# KiCad board imx8x_carrier_v1.kicad_pcb (continued)
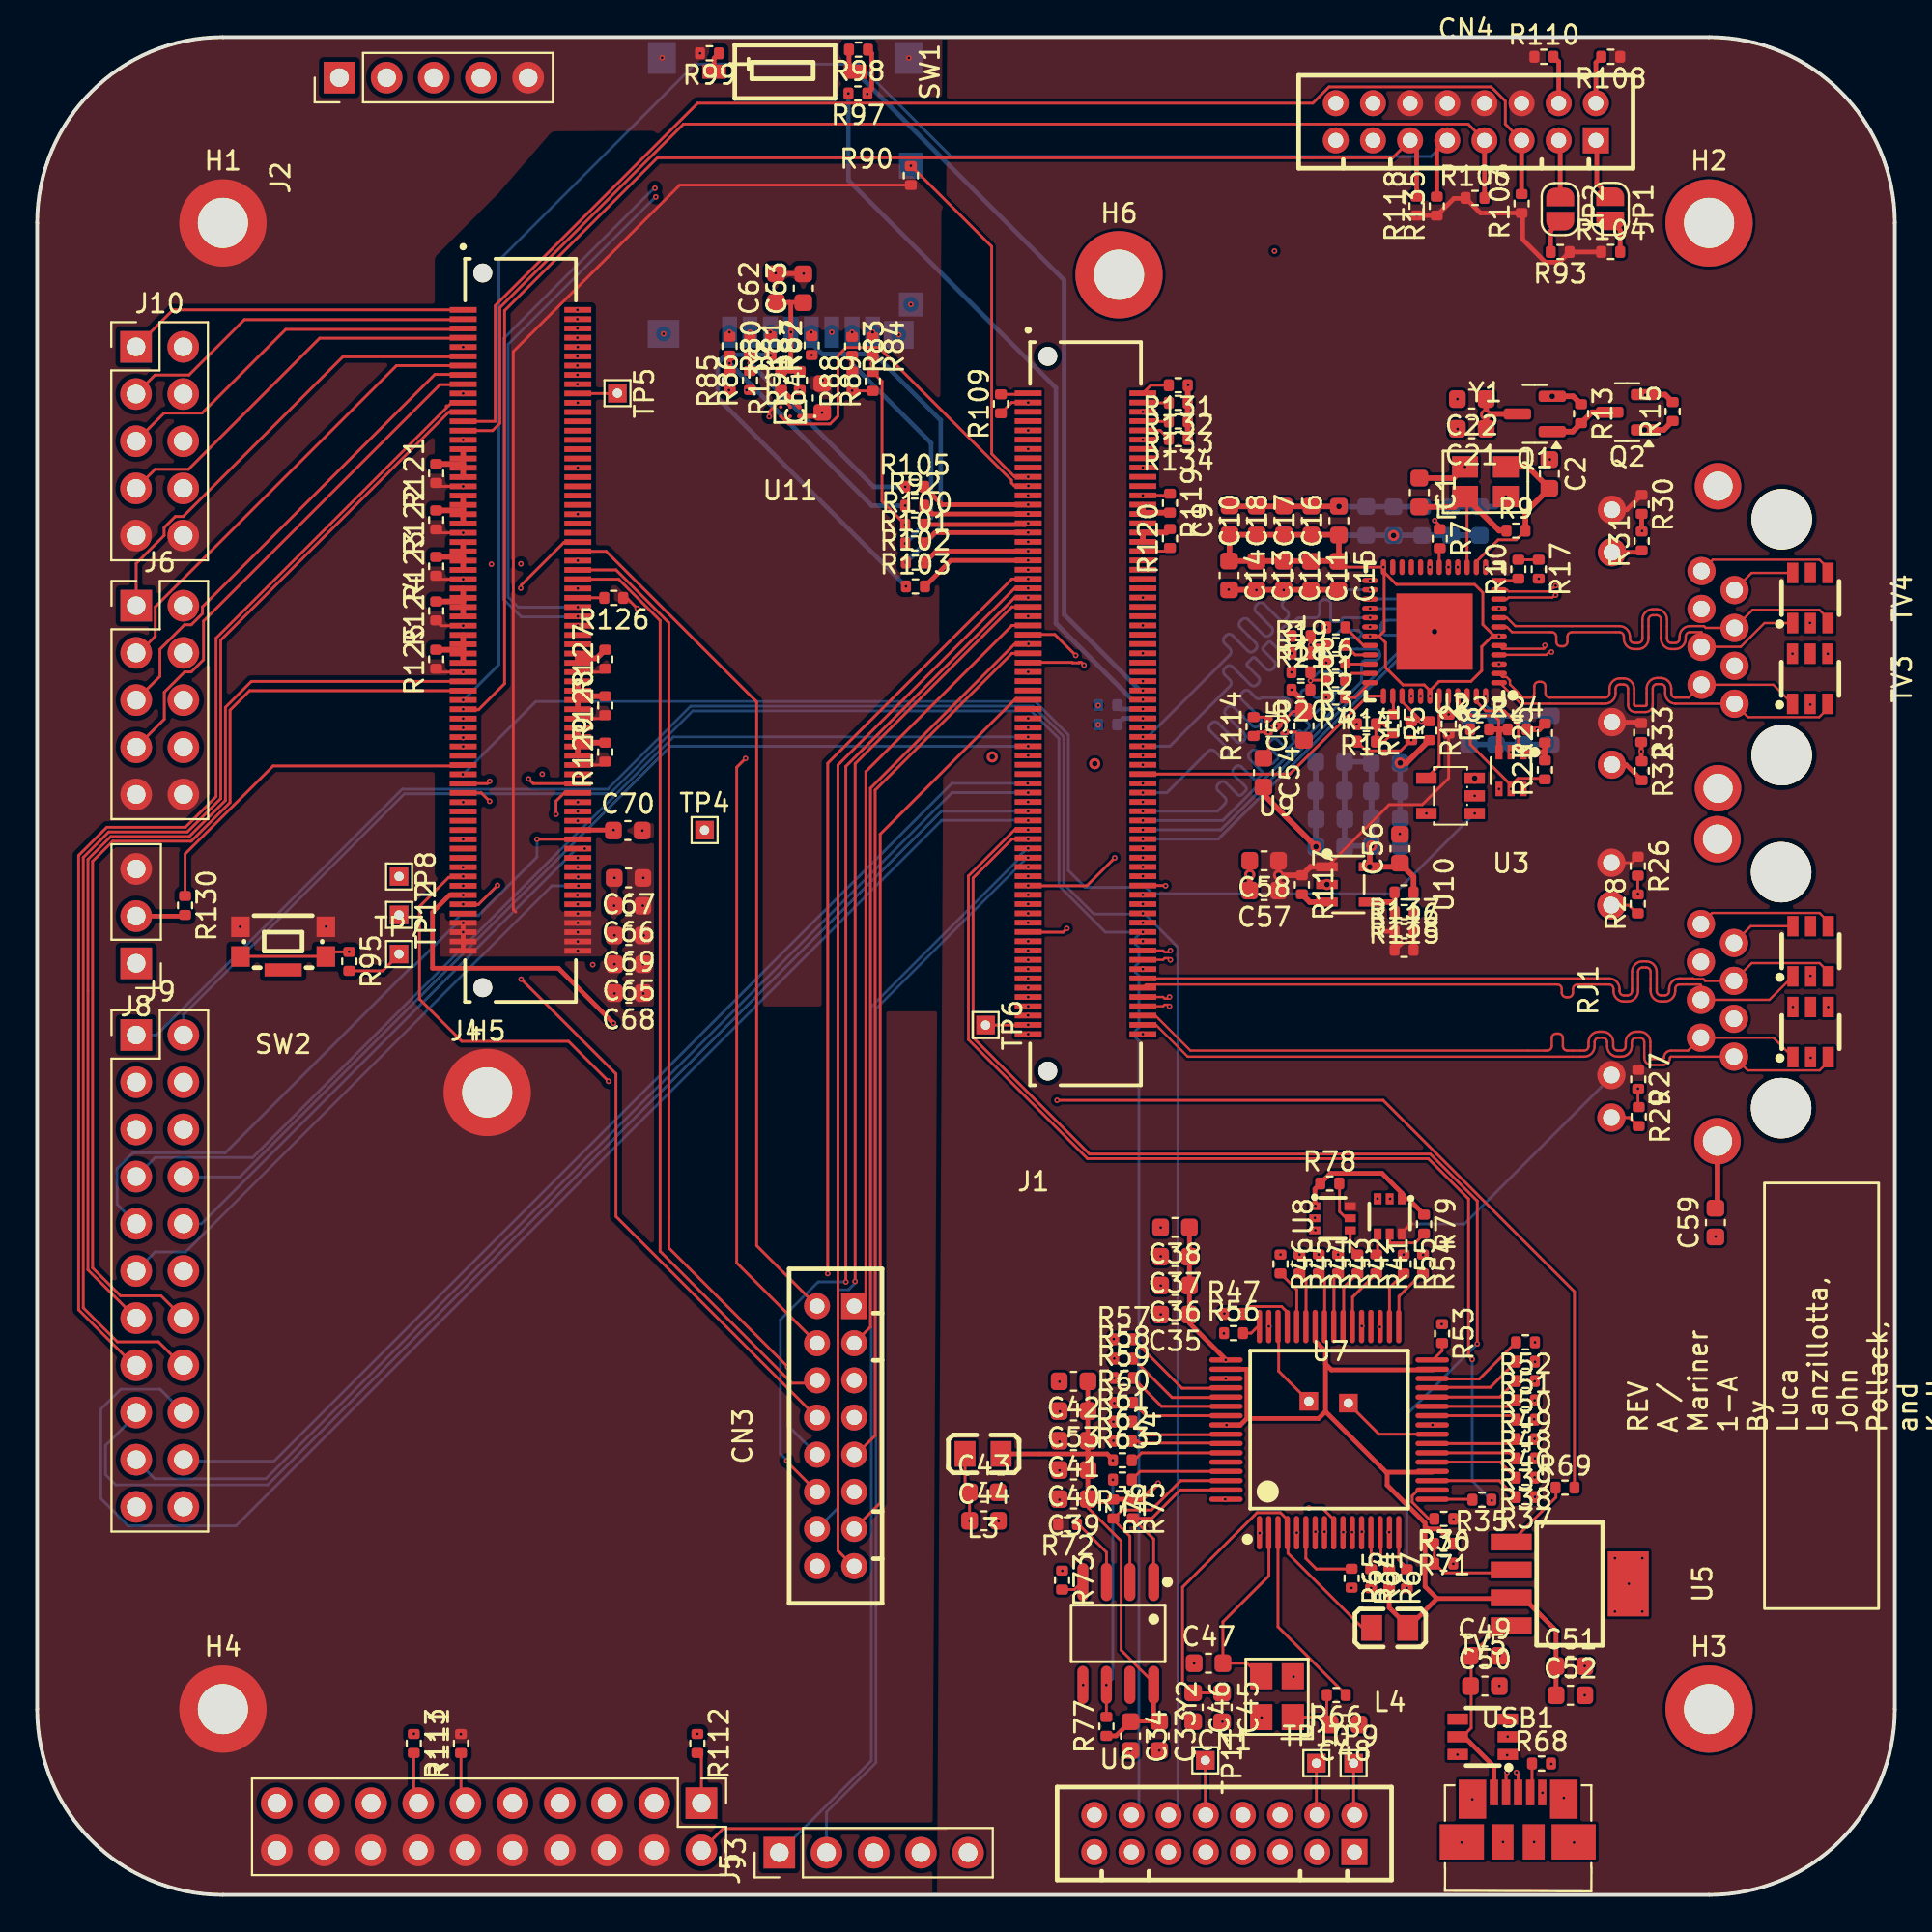
[diagram p0: board, top side]
## Library data of the parts
C1 C2 = -: Description: Unpolarized capacitor, small symbol; LCSC: C1647; Voltage: 50V; ki_fp_filters: C_*
C3 C5 C12 C14 C15 C17 C19 C24 C25 C27 C32 = -: Description: Unpolarized capacitor, small symbol; LCSC: C15849; Voltage: 10V; ki_fp_filters: C_*
C4 C6 C11 C13 C16 C18 C20 C23 C26 C28 C31 C43 C54 C55 C57 = -: Description: Unpolarized capacitor, small symbol; LCSC: C14663; Voltage: 16V; ki_fp_filters: C_*
C7 C10 C21 C29 = -: Description: Unpolarized capacitor, small symbol; LCSC: C57112; Voltage: 50V; ki_fp_filters: C_*
C8 C9 C22 C30 = -: Description: Unpolarized capacitor, small symbol; LCSC: C96446; Voltage: 16V; ki_fp_filters: C_*
C33 C38 C45 C67 C68 = -: Description: Unpolarized capacitor, small symbol; Voltage: 10V; LCSC: C19666; ki_fp_filters: C_*
C34-C37 C39-C42 C46 C49 C52 C53 C63 C64 C69 = -: Description: Unpolarized capacitor, small symbol; Voltage: 16V; LCSC: C14663; ki_fp_filters: C_*
C44 C56 C58 = -: Description: Unpolarized capacitor, small symbol; LCSC: C19666; Voltage: 10V; ki_fp_filters: C_*
C47 C48 = -: Description: Unpolarized capacitor, small symbol; Voltage: 50V; LCSC: C38523; ki_fp_filters: C_*
C50 = -: Description: Unpolarized capacitor, small symbol; Voltage: 25V; LCSC: C77047; ki_fp_filters: C_*
C51 = -: Description: Unpolarized capacitor, small symbol; Voltage: 10V; LCSC: C15849; ki_fp_filters: C_*
C59 = -: Description: Unpolarized capacitor, small symbol; LCSC: C57112; Voltage: 2kV; ki_fp_filters: C_*
C62 = -: Description: Unpolarized capacitor, small symbol; Voltage: 16V; LCSC: C96446; ki_fp_filters: C_*
C65 C66 = -: Description: Unpolarized capacitor, small symbol; Voltage: 25V; LCSC: C2762594; ki_fp_filters: C_*
C70 = -: Description: Unpolarized capacitor, small symbol; LCSC: C21120; ki_fp_filters: C_*
Card1 = -: Datasheet: https://lcsc.com/product-detail/SD-Card-Memory-Card-Connector_MOLEX-5027740891_C330255.html?s_z=n_TF-SMD_5027740891; LCSC Part: C330255
CN1 CN3 CN4 = -: Datasheet: https://lcsc.com/product-detail/Wire-To-Board-Wire-To-Wire-Connector_HRS-Hirose-HRS-DF11-16DP-2DSA-08_C530981.html; Description: DF11 Connector; LCSC Part: C530981
H1-H6 = -: Description: Mounting Hole with connection as pad named MP; ki_fp_filters: MountingHole*Pad*
J1 J4 = -: Datasheet: https://www.samtec.com/products/bth-070-02-l-d-a-k-tr#cadmodels; Description: IMX8 SOM Connector; PARTREV: R; STANDARD: Manufacturer Recommendations; MANUFACTURER: Samtec
J2 J3 = -: Description: Generic connector, single row, 01x05, script generated; ki_fp_filters: Connector*:*_1x??_*
J5 = -: Description: Generic connector, single row, 01x20, script generated; ki_fp_filters: Connector*:*_1x??_*
J6 J10 = -: Description: Generic connector, double row, 02x05, odd/even pin numbering scheme (row 1 odd numbers, row 2 even numbers), script generated (kicad-library-utils/schlib/autogen/connector/); ki_fp_filters: Connector*:*_2x??_*
J8 = -: Description: Generic connector, single row, 01x03, script generated; ki_fp_filters: Connector*:*_1x??_*
J9 = -: Description: Generic connector, double row, 02x11, counter clockwise pin numbering scheme (similar to DIP package numbering), script generated (kicad-library-utils/schlib/autogen/connector/); ki_fp_filters: Connector*:*_2x??_*
JP1 JP2 = -: Description: Solder Jumper, 2-pole, open; ki_fp_filters: SolderJumper*Open*
L3 L4 = -: Description: Inductor; LCSC: C1017; ki_fp_filters: Choke_* *Coil* Inductor_* L_*
Q1 = -: Datasheet: https://www.infineon.com/dgdl/irlml6401pbf.pdf?fileId=5546d462533600a401535668b96d2634; Description: -4.3A Id, -12V Vds, 50mOhm Rds, P-Channel HEXFET Power MOSFET, SOT-23; LCSC: C3034; ki_fp_filters: SOT?23*
Q2 = -: Datasheet: https://www.onsemi.com/pub/Collateral/BSS138-D.PDF; Description: 50V Vds, 0.22A Id, N-Channel MOSFET, SOT-23; LCSC: C52895; ki_fp_filters: SOT?23*
R1-R6 R8 R10-R93 R95 R100-R114 R117-R136 = -: Description: Resistor, US symbol; ki_fp_filters: R_*
R7 = -: Description: Resistor, US symbol; LCSC: C25120; ki_fp_filters: R_*
R9 = -: Description: Resistor, US symbol; LCSC: C26083; ki_fp_filters: R_*
R94 R96-R99 R137 R138 = -: Description: Resistor, US symbol; LCSC: C11702; ki_fp_filters: R_*
R115 = -: Description: Resistor, US symbol; LCSC: C4109; ki_fp_filters: R_*
R116 = -: Description: Resistor, US symbol; LCSC: C25537; ki_fp_filters: R_*
RJ1 RJ2 = -: Datasheet: https://jlcpcb.com/partdetail/AmphenolIcc-RJHSE5384/C464587; LCSC Part: C464587
SW1 = -: Description: 1x DIP Switch, Single Pole Single Throw (SPST) switch, small symbol; LCSC Part: C7471372; ki_fp_filters: SW?DIP?x1*
SW2 = -: Datasheet: https://lcsc.com/product-detail/Others_C-K-KMR221GLFS_C72443.html; LCSC Part: C72443
TP1 TP2 TP4-TP12 = -: Description: test point; ki_fp_filters: Pin* Test*
TV1-TV4 = -: Datasheet: https://lcsc.com/product-detail/TVS_SEMTECH_SRV05-4-TCT_SRV05-4-TCT_C13612.html; Description: Surge Protecton Diode Network; LCSC Part: C13612
TV5 = -: Datasheet: https://lcsc.com/product-detail/TVS_SEMTECH_SRV05-4-TCT_SRV05-4-TCT_C13612.html; LCSC Part: C13612
U1 = -: Datasheet: https://www.ti.com/cn/lit/ds/symlink/dp83867ir.pdf?ts=1748027510532&ref_url=https%253A%252F%252Fjlcpcb.com%252F; LCSC Part: C544766
U2 = -: Datasheet: https://lcsc.com/product-detail/74-Series_TI_SN74AUP1G08DBVR_SN74AUP1G08DBVR_C139409.html; Description: Low Power 2 Input AND gate; LCSC Part: C139409
U3 = -: Datasheet: https://jlcpcb.com/api/file/downloadByFileSystemAccessId/8603378044489261056; LCSC Part: C19829574
U4 = -: Datasheet: https://lcsc.com/product-detail/USB_FTDI_FT2232HL_FT2232HL_C27882.html; LCSC Part: C27882
U5 = -: Datasheet: https://lcsc.com/product-detail/Linear-Voltage-Regulators_TI_LP38693MP-ADJ-NOPB_LP38693MP-ADJ-NOPB_C181420.html; LCSC Part: C181420
U6 = -: Datasheet: https://jlcpcb.com/parts/componentSearch?searchTxt=C890471; LCSC Part: C890471
U7 U8 = -: Datasheet: https://lcsc.com/product-detail/Logic-ICs_TI_TXS0101DCKR_TXS0101DCKR_C132031.html; Description: 1-Bit Bidirectional Level-Shifting, Voltage-Level Translator With Auto-Direction-Sensing for Open-Drain and Push-Pull Applications; LCSC Part: C132031
U9 = -: LCSC Part: C2872754
U10 = -: Datasheet: https://lcsc.com/product-detail/Low-Dropout-Regulators-LDO_MICROCHIP_MCP1824T-ADJE-OT_MCP1824T-ADJE-OT_C145717.html; LCSC Part: C145717
U11 = -: Datasheet: https://lcsc.com/product-detail/Power-Distribution-Switches_ROHM-Semicon-BD2204GUL-E2_C314699.html?s_z=n_BD2204GUL-E2; LCSC Part: C314699
USB1 = -: Datasheet: https://lcsc.com/product-detail/USB-Connectors_MOLEX_47346-0001_47346-0001_C132560.html; LCSC Part: C132560
Y1 = -: Description: Four pin crystal, GND on pins 2 and 4; LCSC: C13740; ki_fp_filters: Crystal*
Y2 = -: Description: Four pin crystal, GND on pins 2 and 4; LCSC Part: C9002; ki_fp_filters: Crystal*

## Footprints (pads in the part's own frame, mm; a bottom-side part is the same pattern mirrored in y, then rotated)
BGA-6_L1.5-W1.0-P0.50_BD2204GUL-E2
  round 0.2 smd: A1(-0.5,0.25) A2(0,0.25) A3(0.5,0.25) B1(-0.5,-0.25) B2(0,-0.25) B3(0.5,-0.25)
C_0603_1608Metric
  rrect 0.9x0.95 smd: 1(-0.775,0) 2(0.775,0)
CONN-TH_DF11-16DP-2DSA-08
  rect 1.4x1.4 hole 0.8: 1(7,-1)
  round 1.4 hole 0.8: 2(7,1) 3(5,-1) 4(5,1) 5(3,-1) 6(3,1) 7(1,-1) 8(1,1) 9(-1,-1) 10(-1,1) 11(-3,-1) 12(-3,1) 13(-5,-1) 14(-5,1) 15(-7,-1) 16(-7,1)
CRYSTAL-SMD_4P-L3.2-W2.5-BL
  rect 1.4x1.2 smd: 1(-1.1,-0.85) 2(1.1,-0.85) 3(1.1,0.85) 4(-1.1,0.85)
CRYSTAL-SMD_4P-L3.2-W2.5-BL-2
  rect 1.4x1.15 smd: 1(-1.1,-0.8) 2(1.1,-0.8) 3(1.1,0.8) 4(-1.1,0.8)
KEY-SMD_KMR2XXGXXX
  rect 1x1.1 smd: 1(-2.3,0.44) 2(2.3,0.44) 3(-2.3,-1.16) 4(2.3,-1.16)
  rect 2x0.7 smd: 5(0,1.16)
L0805
  rect 1.13x1.38 smd: 1(-0.97,0) 2(0.97,0)
LQFP-64_L10.0-W10.0-P0.50-LS12.0-TL
  oval 1.8x0.28 smd: 1(-5.55,3.75) 2(-5.55,3.25) 3(-5.55,2.75) 4(-5.55,2.25) 5(-5.55,1.75) 6(-5.55,1.25) 7(-5.55,0.75) 8(-5.55,0.25) 9(-5.55,-0.25) 10(-5.55,-0.75) 11(-5.55,-1.25) 12(-5.55,-1.75) 13(-5.55,-2.25) 14(-5.55,-2.75) 15(-5.55,-3.25) 16(-5.55,-3.75) 33(5.55,-3.75) 34(5.55,-3.25) 35(5.55,-2.75) 36(5.55,-2.25) 37(5.55,-1.75) 38(5.55,-1.25) 39(5.55,-0.75) 40(5.55,-0.25) 41(5.55,0.25) 42(5.55,0.75) 43(5.55,1.25) 44(5.55,1.75) 45(5.55,2.25) 46(5.55,2.75) 47(5.55,3.25) 48(5.55,3.75)
  oval 0.28x1.8 smd: 17(-3.75,-5.55) 18(-3.25,-5.55) 19(-2.75,-5.55) 20(-2.25,-5.55) 21(-1.75,-5.55) 22(-1.25,-5.55) 23(-0.75,-5.55) 24(-0.25,-5.55) 25(0.25,-5.55) 26(0.75,-5.55) 27(1.25,-5.55) 28(1.75,-5.55) 29(2.25,-5.55) 30(2.75,-5.55) 31(3.25,-5.55) 32(3.75,-5.55) 49(3.75,5.55) 50(3.25,5.55) 51(2.75,5.55) 52(2.25,5.55) 53(1.75,5.55) 54(1.25,5.55) 55(0.75,5.55) 56(0.25,5.55) 57(-0.25,5.55) 58(-0.75,5.55) 59(-1.25,5.55) 60(-1.75,5.55) 61(-2.25,5.55) 62(-2.75,5.55) 63(-3.25,5.55) 64(-3.75,5.55)
MICRO-USB-SMD_47346-0001
  rect 0.45x1.38 smd: 1(-1.28,1.33) 2(-0.63,1.33) 3(0.02,1.33) 4(0.67,1.33) 5(1.32,1.33)
  rect 2.38x1.9 smd: 6(-3.01,-1.33) 6(3.01,-1.33)
  rect 1.48x2.1 smd: 6(-2.44,0.97) 6(2.48,0.97)
  rect 1.18x1.9 smd: 6(-0.82,-1.33) 6(0.86,-1.33)
MountingHole_2.7mm_M2.5_DIN965_Pad
  round 4.7 hole 2.7: 1(0,0)
PinHeader_1x03_P2.54mm_Vertical
  rect 1.7x1.7 hole 1: 1(0,0)
  oval 1.7x1.7 hole 1: 2(0,-2.54) 3(0,-5.08)
PinHeader_1x05_P2.54mm_Vertical
  rect 1.7x1.7 hole 1: 1(0,0)
  oval 1.7x1.7 hole 1: 2(0,-2.54) 3(0,-5.08) 4(0,-7.62) 5(0,-10.16)
PinHeader_2x05_P2.54mm_Vertical
  rect 1.7x1.7 hole 1: 1(0,0)
  oval 1.7x1.7 hole 1: 2(2.54,0) 3(0,-2.54) 4(2.54,-2.54) 5(0,-5.08) 6(2.54,-5.08) 7(0,-7.62) 8(2.54,-7.62) 9(0,-10.16) 10(2.54,-10.16)
PinHeader_2x10_P2.54mm_Vertical
  rect 1.7x1.7 hole 1: 1(0,0)
  oval 1.7x1.7 hole 1: 2(2.54,0) 3(0,-2.54) 4(2.54,-2.54) 5(0,-5.08) 6(2.54,-5.08) 7(0,-7.62) 8(2.54,-7.62) 9(0,-10.16) 10(2.54,-10.16) 11(0,-12.7) 12(2.54,-12.7) 13(0,-15.24) 14(2.54,-15.24) 15(0,-17.78) 16(2.54,-17.78) 17(0,-20.32) 18(2.54,-20.32) 19(0,-22.86) 20(2.54,-22.86)
PinHeader_2x11_P2.54mm_Vertical
  rect 1.7x1.7 hole 1: 1(0,0)
  oval 1.7x1.7 hole 1: 2(2.54,0) 3(0,-2.54) 4(2.54,-2.54) 5(0,-5.08) 6(2.54,-5.08) 7(0,-7.62) 8(2.54,-7.62) 9(0,-10.16) 10(2.54,-10.16) 11(0,-12.7) 12(2.54,-12.7) 13(0,-15.24) 14(2.54,-15.24) 15(0,-17.78) 16(2.54,-17.78) 17(0,-20.32) 18(2.54,-20.32) 19(0,-22.86) 20(2.54,-22.86) 21(0,-25.4) 22(2.54,-25.4)
R_0402_1005Metric
  rrect 0.54x0.64 smd: 1(-0.51,0) 2(0.51,0)
RJ45-TH_RJHSE5384
  round 3.25 hole 3.25: (-6.35,-5.84) (6.35,-5.84)
  round 1.52 hole 0.89: 1(3.58,-3.3) 2(2.56,-1.52) 3(1.54,-3.3) 4(0.52,-1.52) 5(-0.5,-3.3) 6(-1.52,-1.52) 7(-2.54,-3.3) 8(-3.56,-1.52) 9(6.86,3.3) 10(4.57,3.3) 11(-4.57,3.3) 12(-6.86,3.3)
  round 2.5 hole 1.57: 13(-8.13,-2.41) 14(8.13,-2.41)
SAMTEC_BTH-070-02-L-D-A
  round 1.016 hole 1.016 unplated: (-2.486,-1.054) (35.986,-1.054)
  rect 0.305x1.45 smd: 01(34,0) 02(34,-6.172) 03(33.5,0) 04(33.5,-6.172) 05(33,0) 06(33,-6.172) 07(32.5,0) 08(32.5,-6.172) 09(32,0) 10(32,-6.172) 11(31.5,0) 12(31.5,-6.172) 13(31,0) 14(31,-6.172) 15(30.5,0) 16(30.5,-6.172) 17(30,0) 18(30,-6.172) 19(29.5,0) 20(29.5,-6.172) 21(29,0) 22(29,-6.172) 23(28.5,0) 24(28.5,-6.172) 25(28,0) 26(28,-6.172) 27(27.5,0) 28(27.5,-6.172) 29(27,0) 30(27,-6.172) 31(26.5,0) 32(26.5,-6.172) 33(26,0) 34(26,-6.172) 35(25.5,0) 36(25.5,-6.172) 37(25,0) 38(25,-6.172) 39(24.5,0) 40(24.5,-6.172) 41(24,0) 42(24,-6.172) 43(23.5,0) 44(23.5,-6.172) 45(23,0) 46(23,-6.172) 47(22.5,0) 48(22.5,-6.172) 49(22,0) 50(22,-6.172) 51(21.5,0) 52(21.5,-6.172) 53(21,0) 54(21,-6.172) 55(20.5,0) 56(20.5,-6.172) 57(20,0) 58(20,-6.172) 59(19.5,0) 60(19.5,-6.172) 61(19,0) 62(19,-6.172) 63(18.5,0) 64(18.5,-6.172) 65(18,0) 66(18,-6.172) 67(17.5,0) 68(17.5,-6.172) 69(17,0) 70(17,-6.172) 71(16.5,0) 72(16.5,-6.172) 73(16,0) 74(16,-6.172) 75(15.5,0) 76(15.5,-6.172) 77(15,0) 78(15,-6.172) 79(14.5,0) 80(14.5,-6.172) 81(14,0) 82(14,-6.172) 83(13.5,0) 84(13.5,-6.172) 85(13,0) 86(13,-6.172) 87(12.5,0) 88(12.5,-6.172) 89(12,0) 90(12,-6.172) 91(11.5,0) 92(11.5,-6.172) 93(11,0) 94(11,-6.172) 95(10.5,0) 96(10.5,-6.172) 97(10,0) 98(10,-6.172) 99(9.5,0) 100(9.5,-6.172) 101(9,0) 102(9,-6.172) 103(8.5,0) 104(8.5,-6.172) 105(8,0) 106(8,-6.172) 107(7.5,0) 108(7.5,-6.172) 109(7,0) 110(7,-6.172) 111(6.5,0) 112(6.5,-6.172) 113(6,0) 114(6,-6.172) 115(5.5,0) 116(5.5,-6.172) 117(5,0) 118(5,-6.172) 119(4.5,0) 120(4.5,-6.172) 121(4,0) 122(4,-6.172) 123(3.5,0) 124(3.5,-6.172) 125(3,0) 126(3,-6.172) 127(2.5,0) 128(2.5,-6.172) 129(2,0) 130(2,-6.172) 131(1.5,0) 132(1.5,-6.172) 133(1,0) 134(1,-6.172) 135(0.5,0) 136(0.5,-6.172) 137(0,0) 138(0,-6.172) 139(-0.5,0) 140(-0.5,-6.172)
SC-70-6_L2.0-W1.3-P0.65-LS2.1-BR
  rect 0.6x0.42 smd: 1(0.95,-0.65) 2(0.95,0) 3(0.95,0.65) 4(-0.95,0.65) 5(-0.95,0) 6(-0.95,-0.65)
SOIC-8_L4.9-W3.9-P1.27-LS6.0-BL
  oval 0.59x2.05 smd: 1(-1.91,-2.77) 2(-0.63,-2.77) 3(0.63,-2.77) 4(1.9,-2.77) 5(1.9,2.77) 6(0.63,2.77) 7(-0.63,2.77) 8(-1.91,2.77)
SolderJumper-2_P1.3mm_Open_RoundedPad1.0x1.5mm
  custom 1x1.5 smd: 1(-0.65,0) 2(0.65,0)
SOT-23
  rrect 1.475x0.6 smd: 1(-0.938,0.95) 2(-0.938,-0.95) 3(0.938,0)
SOT-23-5_L3.0-W1.7-P0.95-LS2.8-BL
  rect 0.49x1.16 smd: 1(-0.95,-1.15) 2(0,-1.15) 3(0.95,-1.15)
  rect 0.49x1.18 smd: 4(0.95,1.15) 5(-0.95,1.15)
SOT-23-5_L3.0-W1.7-P0.95-LS2.8-BR
  rect 1.1x0.6 smd: 1(1.3,-0.95) 2(1.3,0) 3(1.3,0.95) 4(-1.3,0.95) 5(-1.3,-0.95)
SOT-23-6_L2.9-W1.6-P0.95-LS2.8-BR
  rect 1.1x0.6 smd: 1(1.35,-0.95) 2(1.35,0) 3(1.35,0.95) 4(-1.35,0.95) 5(-1.35,0) 6(-1.35,-0.95)
SOT-223-5_L6.5-W3.5-P1.50-LS7.0-BL
  rect 0.9x2.2 smd: 1(-2.25,-3.15) 2(-0.75,-3.15) 3(0.75,-3.15) 4(2.25,-3.15)
  rect 3.5x2.2 smd: 5(0,3.15)
SOT-363_L2.1-W1.3-P0.65-LS2.2-BL
  rect 0.38x0.78 smd: 1(-0.65,-0.99) 2(0,-0.99) 3(0.65,-0.99) 4(0.65,0.99) 5(0,0.99) 6(-0.65,0.99)
SW-SMD_1.27-1P-TPPT
  rect 0.76x1.27 smd: 1(0,-3.81) 2(0,3.81)
TestPoint_THTPad_1.0x1.0mm_Drill0.5mm
  rect 1x1 hole 0.5: 1(0,0)
TF-SMD_5027740891
  rect 0.8x1.68 smd: 1(3.06,-7.31) 2(1.96,-7.31) 3(0.86,-7.31) 4(-0.24,-7.31) 5(-1.34,-7.31) 6(-2.44,-7.31) 7(-3.54,-7.31) 8(-4.64,-7.31)
  rect 1.29x1.4 smd: 9(-6.7,1.65)
  rect 1.29x1.3 smd: 10(-6.7,-5.82)
  rect 1.6x1.5 smd: 11(-6.05,-7.45)
  rect 1.7x1.5 smd: 12(6.61,-7.4)
  rect 1.5x1.7 smd: 13(6.7,7.45) 14(-6.59,7.45)
VQFN-48_L7.0-W7.0-P0.50-BL-EP4.1
  oval 0.28x0.85 smd: 1(-2.75,-3.47) 2(-2.25,-3.47) 3(-1.75,-3.47) 4(-1.25,-3.47) 5(-0.75,-3.47) 6(-0.25,-3.47) 7(0.25,-3.47) 8(0.75,-3.47) 9(1.25,-3.47) 10(1.75,-3.47) 11(2.25,-3.47) 12(2.75,-3.47) 25(2.75,3.47) 26(2.25,3.47) 27(1.75,3.47) 28(1.25,3.47) 29(0.75,3.47) 30(0.25,3.47) 31(-0.25,3.47) 32(-0.75,3.47) 33(-1.25,3.47) 34(-1.75,3.47) 35(-2.25,3.47) 36(-2.75,3.47)
  oval 0.85x0.28 smd: 13(3.47,-2.75) 14(3.47,-2.25) 15(3.47,-1.75) 16(3.47,-1.25) 17(3.47,-0.75) 18(3.47,-0.25) 19(3.47,0.25) 20(3.47,0.75) 21(3.47,1.25) 22(3.47,1.75) 23(3.47,2.25) 24(3.47,2.75) 37(-3.47,2.75) 38(-3.47,2.25) 39(-3.47,1.75) 40(-3.47,1.25) 41(-3.47,0.75) 42(-3.47,0.25) 43(-3.47,-0.25) 44(-3.47,-0.75) 45(-3.47,-1.25) 46(-3.47,-1.75) 47(-3.47,-2.25) 48(-3.47,-2.75)
  rect 4.1x4.1 smd: 49(0,0)
X2SON-4_L1.0-W1.0-P0.65-TL-EP
  custom 0.46x0.32 smd: 1(-0.43,0.32) 2(-0.43,-0.32) 3(0.43,-0.32) 4(0.43,0.32)
  rect 0.48x0.48 smd rot 45: 5(0,0)

## Nets
1V8_FTDI: C35.1 C36.1 C37.1 C38.1 U4.12 U4.37 U4.49 U4.64
3V3_FTDI: C33.1 C34.1 C39.1 C40.1 C41.1 C42.1 C51.1 C52.1 C53.1 L3.1 L4.1 R63.1 R67.2 R71.1 R75.1 R76.1 R77.1 U4.20 U4.31 U4.42 U4.50 U4.56 U5.3 U6.8
GND: C1.1 C2.1 C3.2 C4.2 C5.2 C6.2 C7.2 C8.2 C9.2 C10.2 C11.2 C12.2 C13.2 C14.2 C15.2 C16.2 C17.2 C18.2 C19.2 C20.2 C21.2 C22.2 C23.2 C24.2 C25.2 C26.2 C27.2 C28.2 C29.2 C30.2 C31.2 C32.2 C33.2 C34.2 C35.2 C36.2 C37.2 C38.2 C39.2 C40.2 C41.2 C42.2 C43.2 C44.2 C45.2 C46.2 C47.1 C48.1 C49.2 C50.2 C51.2 C52.2 C53.2 C54.2 C55.2 C56.2 C57.2 C58.2 C59.1 C62.2 C63.2 C64.2 C65.2 C66.2 C67.2 C68.2 C69.2 C70.2 Card1.6 Card1.10 Card1.11 Card1.12 Card1.13 Card1.14 CN1.9 CN1.11 CN1.13 CN1.15 CN4.13 CN4.14 CN4.15 CN4.16 H1.1 H2.1 H3.1 H4.1 H5.1 H6.1 J1.03 J1.06 J1.09 J1.12 J1.13 J1.18 J1.23 J1.24 J1.30 J1.36 J1.39 J1.40 J1.46 J1.49 J1.52 J1.58 J1.61 J1.64 J1.71 J1.74 J1.79 J1.80 J1.89 J1.90 J1.100 J1.103 J1.108 J1.111 J1.120 J1.121 J1.126 J1.131 J1.139 J1.140 J2.5 J3.5 J4.09 J4.10 J4.19 J4.22 J4.29 J4.36 J4.39 J4.46 J4.49 J4.56 J4.59 J4.62 J4.69 J4.70 J4.79 J4.80 J4.89 J4.90 J4.95 J4.100 J4.107 J4.112 J4.115 J4.120 J4.125 J4.130 J5.4 J5.6 J5.8 J5.10 J5.12 J5.14 J5.16 J5.18 J5.20 J6.9 J6.10 J8.3 J10.9 J10.10 Q2.2 R12.2 R15.2 R16.2 R17.2 R20.2 R21.2 R24.2 R25.2 R36.1 R37.1 R38.1 R39.1 R40.1 R43.1 R44.1 R45.1 R46.1 R47.1 R48.1 R49.1 R50.1 R51.1 R52.1 R53.1 R54.1 R55.1 R56.1 R57.1 R58.1 R59.1 R60.1 R61.1 R62.1 R64.2 R65.2 R68.2 R70.2 R73.1 R94.2 R96.2 R99.2 R109.1 R111.2 R119.1 R120.1 R121.1 R122.1 R123.1 R124.1 R125.1 R126.1 R127.1 R128.1 R129.1 R131.1 R132.1 R133.1 R134.1 R137.1 R138.1 SW2.3 SW2.4 TV1.2 TV2.2 TV3.2 TV4.2 TV5.2 U1.49 U2.3 U3.2 U4.1 U4.5 U4.10 U4.11 U4.15 U4.25 U4.35 U4.47 U4.51 U5.5 U6.5 U7.2 U8.2 U9.2 U9.5 U10.2 U11.B2 USB1.5 USB1.6 Y1.2 Y1.4 Y2.2 Y2.4
GNDPWR: C59.2 RJ1.13 RJ1.14 RJ2.13 RJ2.14
VBUS_DEBUG_USB: C49.1 C50.1 TV5.5 U5.4 USB1.1
VCC_1V8_OUT: C54.1 J4.127 R11.1 R14.1 R18.1 R19.1 R22.1 R23.1 R78.1 R79.1 R112.1 R114.1 TP12.1 U2.5 U3.5 U7.1 U8.1 U9.4
VCC_3V3: C65.1 C66.1 C67.1 C68.1 C69.1 CN1.1 CN1.3 CN1.5 CN1.7 J4.132 J4.133 J4.134 J4.135 J4.136 J4.137 J4.138 J4.139 J4.140 R90.1
VCC_3V3_OUT: C57.1 C58.1 C64.1 CN4.6 CN4.8 CN4.10 CN4.12 J4.129 J5.2 J8.1 R8.2 R26.1 R27.1 R30.1 R33.1 R72.2 R93.1 R95.2 R104.1 R106.1 R107.1 R108.1 R110.1 R117.1 R118.1 R135.1 RJ1.10 RJ1.12 RJ2.10 RJ2.12 TP7.1 U7.6 U8.6 U10.1 U11.A1
VCC_ENET_2V5: C3.1 C4.1 C5.1 C6.1 C7.1 C8.1 C25.1 C26.1 C27.1 C28.1 C29.1 C30.1 C31.1 C32.1 C56.1 Q2.1 R15.1 R116.1 U1.3 U1.9 U1.19 U1.30 U1.41 U10.5